# KiCad board poly_kb_molecule_7x5_wave_left.kicad_pcb (continued)
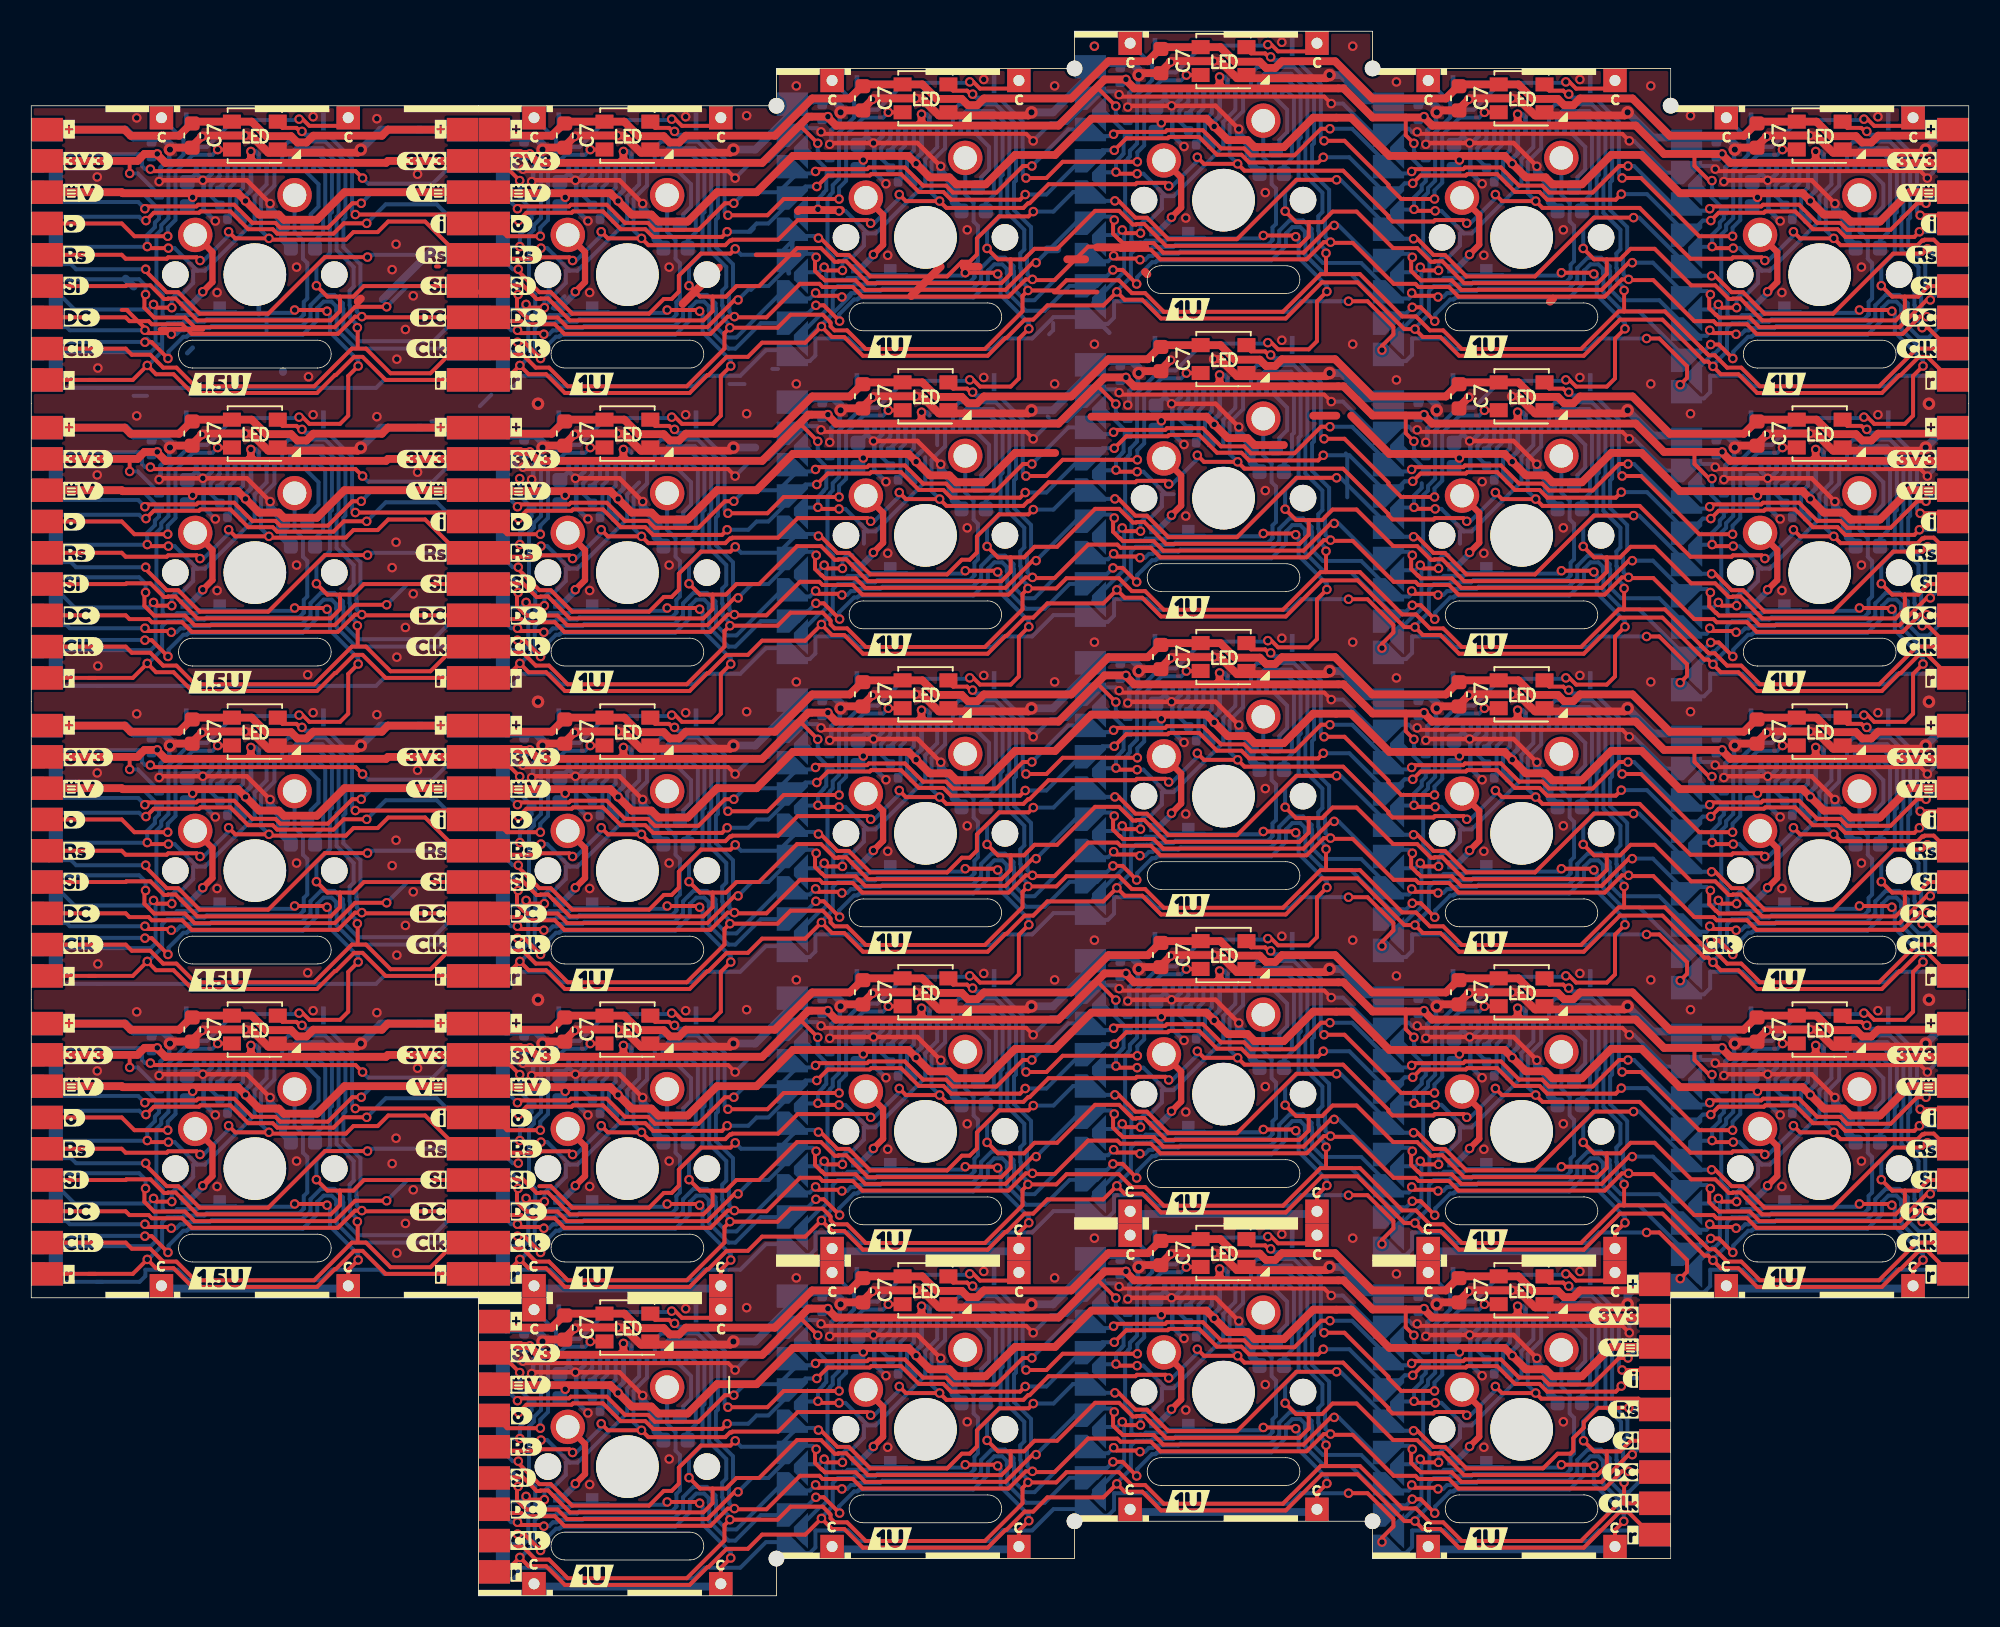
[diagram p0: board, top side]
## Nets (continued)
/Keyboard/sheet605ED2EB/RESET: J1.11 J1#2.11 J1#3.11 J1#4.11 J1#5.11 J1#6.11 J1#7.11 J1#8.11 J1#9.11 J1#10.11 J1#11.11 J1#12.11 J1#13.11 J1#14.11 J1#15.11 J1#16.11 J1#17.11 J1#18.11 J1#19.11 J1#20.11 J1#21.11 J1#22.11 J1#23.11 J1#24.11 J1#25.11 J1#26.11 J1#27.11 J1#28.11 J3.5 J3#2.5 J3#3.5 J3#4.5 J3#5.5 J3#6.5 J3#7.5 J3#8.5 J3#9.5 J4.5 J4#2.5 J4#3.5 J4#4.5 J4#5.5 J4#6.5 J4#7.5 J4#8.5 J4#9.5
/Keyboard/sheet605ED2EB/SCLK: J1.13 J1#2.13 J1#3.13 J1#4.13 J1#5.13 J1#6.13 J1#7.13 J1#8.13 J1#9.13 J1#10.13 J1#11.13 J1#12.13 J1#13.13 J1#14.13 J1#15.13 J1#16.13 J1#17.13 J1#18.13 J1#19.13 J1#20.13 J1#21.13 J1#22.13 J1#23.13 J1#24.13 J1#25.13 J1#26.13 J1#27.13 J1#28.13 J3.8 J3#2.8 J3#3.8 J3#4.8 J3#5.8 J3#6.8 J3#7.8 J3#8.8 J3#9.8 J4.8 J4#2.8 J4#3.8 J4#4.8 J4#5.8 J4#6.8 J4#7.8 J4#8.8 J4#9.8
/Keyboard/sheet605ED2EB/SDIN: J1.14 J1#2.14 J1#3.14 J1#4.14 J1#5.14 J1#6.14 J1#7.14 J1#8.14 J1#9.14 J1#10.14 J1#11.14 J1#12.14 J1#13.14 J1#14.14 J1#15.14 J1#16.14 J1#17.14 J1#18.14 J1#19.14 J1#20.14 J1#21.14 J1#22.14 J1#23.14 J1#24.14 J1#25.14 J1#26.14 J1#27.14 J1#28.14 J3.6 J3#2.6 J3#3.6 J3#4.6 J3#5.6 J3#6.6 J3#7.6 J3#8.6 J3#9.6 J4.6 J4#2.6 J4#3.6 J4#4.6 J4#5.6 J4#6.6 J4#7.6 J4#8.6 J4#9.6
CS1: J5.2 J5#2.2 J5#3.2 J5#4.2 J5#5.2 J5#6.2 J5#7.2 J5#8.2 J5#9.2 J5#10.2 J5#11.2 J5#12.2 J5#13.2 J5#14.2 J5#15.2 J5#16.2 J5#17.2 J5#18.2 J5#19.2 J5#20.2 J5#21.2 J5#22.2 J5#23.2 J5#24.2 J5#25.2 J5#26.2 J5#27.2 J5#28.2 J6.2 J6#2.2 J6#3.2 J6#4.2 J6#5.2 J6#6.2 J6#7.2 J6#8.2 J6#9.2
CS2: J5.3 J5#2.3 J5#3.3 J5#4.3 J5#5.3 J5#6.3 J5#7.3 J5#8.3 J5#9.3 J5#10.3 J5#11.3 J5#12.3 J5#13.3 J5#14.3 J5#15.3 J5#16.3 J5#17.3 J5#18.3 J5#19.3 J5#20.3 J5#21.3 J5#22.3 J5#23.3 J5#24.3 J5#25.3 J5#26.3 J5#27.3 J5#28.3 J6.3 J6#2.3 J6#3.3 J6#4.3 J6#5.3 J6#6.3 J6#7.3 J6#8.3 J6#9.3
CS3: J5.4 J5#2.4 J5#3.4 J5#4.4 J5#5.4 J5#6.4 J5#7.4 J5#8.4 J5#9.4 J5#10.4 J5#11.4 J5#12.4 J5#13.4 J5#14.4 J5#15.4 J5#16.4 J5#17.4 J5#18.4 J5#19.4 J5#20.4 J5#21.4 J5#22.4 J5#23.4 J5#24.4 J5#25.4 J5#26.4 J5#27.4 J5#28.4 J6.4 J6#2.4 J6#3.4 J6#4.4 J6#5.4 J6#6.4 J6#7.4 J6#8.4 J6#9.4
CS4: J5.5 J5#2.5 J5#3.5 J5#4.5 J5#5.5 J5#6.5 J5#7.5 J5#8.5 J5#9.5 J5#10.5 J5#11.5 J5#12.5 J5#13.5 J5#14.5 J5#15.5 J5#16.5 J5#17.5 J5#18.5 J5#19.5 J5#20.5 J5#21.5 J5#22.5 J5#23.5 J5#24.5 J5#25.5 J5#26.5 J5#27.5 J5#28.5 J6.5 J6#2.5 J6#3.5 J6#4.5 J6#5.5 J6#6.5 J6#7.5 J6#8.5 J6#9.5
CS5: J5.6 J5#2.6 J5#3.6 J5#4.6 J5#5.6 J5#6.6 J5#7.6 J5#8.6 J5#9.6 J5#10.6 J5#11.6 J5#12.6 J5#13.6 J5#14.6 J5#15.6 J5#16.6 J5#17.6 J5#18.6 J5#19.6 J5#20.6 J5#21.6 J5#22.6 J5#23.6 J5#24.6 J5#25.6 J5#26.6 J5#27.6 J5#28.6 J6.6 J6#2.6 J6#3.6 J6#4.6 J6#5.6 J6#6.6 J6#7.6 J6#8.6 J6#9.6
CS6: J5.7 J5#2.7 J5#3.7 J5#4.7 J5#5.7 J5#6.7 J5#7.7 J5#8.7 J5#9.7 J5#10.7 J5#11.7 J5#12.7 J5#13.7 J5#14.7 J5#15.7 J5#16.7 J5#17.7 J5#18.7 J5#19.7 J5#20.7 J5#21.7 J5#22.7 J5#23.7 J5#24.7 J5#25.7 J5#26.7 J5#27.7 J5#28.7 J6.7 J6#2.7 J6#3.7 J6#4.7 J6#5.7 J6#6.7 J6#7.7 J6#8.7 J6#9.7
CS7: J5.8 J5#2.8 J5#3.8 J5#4.8 J5#5.8 J5#6.8 J5#7.8 J5#8.8 J5#9.8 J5#10.8 J5#11.8 J5#12.8 J5#13.8 J5#14.8 J5#15.8 J5#16.8 J5#17.8 J5#18.8 J5#19.8 J5#20.8 J5#21.8 J5#22.8 J5#23.8 J5#24.8 J5#25.8 J5#26.8 J5#27.8 J5#28.8 J6.8 J6#2.8 J6#3.8 J6#4.8 J6#5.8 J6#6.8 J6#7.8 J6#8.8 J6#9.8
CS8: J5.9 J5#2.9 J5#3.9 J5#4.9 J5#5.9 J5#6.9 J5#7.9 J5#8.9 J5#9.9 J5#10.9 J5#11.9 J5#12.9 J5#13.9 J5#14.9 J5#15.9 J5#16.9 J5#17.9 J5#18.9 J5#19.9 J5#20.9 J5#21.9 J5#22.9 J5#23.9 J5#24.9 J5#25.9 J5#26.9 J5#27.9 J5#28.9 J6.9 J6#2.9 J6#3.9 J6#4.9 J6#5.9 J6#6.9 J6#7.9 J6#8.9 J6#9.9
Net-(C1-Pad1): C1.1 C1#2.1 C1#3.1 C1#4.1 C1#5.1 C1#6.1 C1#7.1 C1#8.1 C1#9.1 C1#10.1 C1#11.1 C1#12.1 C1#13.1 C1#14.1 C1#15.1 C1#16.1 C1#17.1 C1#18.1 C1#19.1 C1#20.1 C1#21.1 C1#22.1 C1#23.1 C1#24.1 C1#25.1 C1#26.1 C1#27.1 C1#28.1 J1.16 J1#2.16 J1#3.16 J1#4.16 J1#5.16 J1#6.16 J1#7.16 J1#8.16 J1#9.16 J1#10.16 J1#11.16 J1#12.16 J1#13.16 J1#14.16 J1#15.16 J1#16.16 J1#17.16 J1#18.16 J1#19.16 J1#20.16 J1#21.16 J1#22.16 J1#23.16 J1#24.16 J1#25.16 J1#26.16 J1#27.16 J1#28.16
Net-(C4-Pad1): C4.1 C4#2.1 C4#3.1 C4#4.1 C4#5.1 C4#6.1 C4#7.1 C4#8.1 C4#9.1 C4#10.1 C4#11.1 C4#12.1 C4#13.1 C4#14.1 C4#15.1 C4#16.1 C4#17.1 C4#18.1 C4#19.1 C4#20.1 C4#21.1 C4#22.1 C4#23.1 C4#24.1 C4#25.1 C4#26.1 C4#27.1 C4#28.1 J1.15 J1#2.15 J1#3.15 J1#4.15 J1#5.15 J1#6.15 J1#7.15 J1#8.15 J1#9.15 J1#10.15 J1#11.15 J1#12.15 J1#13.15 J1#14.15 J1#15.15 J1#16.15 J1#17.15 J1#18.15 J1#19.15 J1#20.15 J1#21.15 J1#22.15 J1#23.15 J1#24.15 J1#25.15 J1#26.15 J1#27.15 J1#28.15
Net-(C5-Pad1): C5.1 C5#2.1 C5#3.1 C5#4.1 C5#5.1 C5#6.1 C5#7.1 C5#8.1 C5#9.1 C5#10.1 C5#11.1 C5#12.1 C5#13.1 C5#14.1 C5#15.1 C5#16.1 C5#17.1 C5#18.1 C5#19.1 C5#20.1 C5#21.1 C5#22.1 C5#23.1 C5#24.1 C5#25.1 C5#26.1 C5#27.1 C5#28.1 J1.4 J1#2.4 J1#3.4 J1#4.4 J1#5.4 J1#6.4 J1#7.4 J1#8.4 J1#9.4 J1#10.4 J1#11.4 J1#12.4 J1#13.4 J1#14.4 J1#15.4 J1#16.4 J1#17.4 J1#18.4 J1#19.4 J1#20.4 J1#21.4 J1#22.4 J1#23.4 J1#24.4 J1#25.4 J1#26.4 J1#27.4 J1#28.4
Net-(C5-Pad2): C5.2 C5#2.2 C5#3.2 C5#4.2 C5#5.2 C5#6.2 C5#7.2 C5#8.2 C5#9.2 C5#10.2 C5#11.2 C5#12.2 C5#13.2 C5#14.2 C5#15.2 C5#16.2 C5#17.2 C5#18.2 C5#19.2 C5#20.2 C5#21.2 C5#22.2 C5#23.2 C5#24.2 C5#25.2 C5#26.2 C5#27.2 C5#28.2 J1.5 J1#2.5 J1#3.5 J1#4.5 J1#5.5 J1#6.5 J1#7.5 J1#8.5 J1#9.5 J1#10.5 J1#11.5 J1#12.5 J1#13.5 J1#14.5 J1#15.5 J1#16.5 J1#17.5 J1#18.5 J1#19.5 J1#20.5 J1#21.5 J1#22.5 J1#23.5 J1#24.5 J1#25.5 J1#26.5 J1#27.5 J1#28.5
Net-(C6-Pad1): C6.1 C6#2.1 C6#3.1 C6#4.1 C6#5.1 C6#6.1 C6#7.1 C6#8.1 C6#9.1 C6#10.1 C6#11.1 C6#12.1 C6#13.1 C6#14.1 C6#15.1 C6#16.1 C6#17.1 C6#18.1 C6#19.1 C6#20.1 C6#21.1 C6#22.1 C6#23.1 C6#24.1 C6#25.1 C6#26.1 C6#27.1 C6#28.1 J1.6 J1#2.6 J1#3.6 J1#4.6 J1#5.6 J1#6.6 J1#7.6 J1#8.6 J1#9.6 J1#10.6 J1#11.6 J1#12.6 J1#13.6 J1#14.6 J1#15.6 J1#16.6 J1#17.6 J1#18.6 J1#19.6 J1#20.6 J1#21.6 J1#22.6 J1#23.6 J1#24.6 J1#25.6 J1#26.6 J1#27.6 J1#28.6
Net-(C6-Pad2): C6.2 C6#2.2 C6#3.2 C6#4.2 C6#5.2 C6#6.2 C6#7.2 C6#8.2 C6#9.2 C6#10.2 C6#11.2 C6#12.2 C6#13.2 C6#14.2 C6#15.2 C6#16.2 C6#17.2 C6#18.2 C6#19.2 C6#20.2 C6#21.2 C6#22.2 C6#23.2 C6#24.2 C6#25.2 C6#26.2 C6#27.2 C6#28.2 J1.7 J1#2.7 J1#3.7 J1#4.7 J1#5.7 J1#6.7 J1#7.7 J1#8.7 J1#9.7 J1#10.7 J1#11.7 J1#12.7 J1#13.7 J1#14.7 J1#15.7 J1#16.7 J1#17.7 J1#18.7 J1#19.7 J1#20.7 J1#21.7 J1#22.7 J1#23.7 J1#24.7 J1#25.7 J1#26.7 J1#27.7 J1#28.7
Net-(D1-Pad2): D1.2 D1#2.2 D1#3.2 D1#4.2 D1#5.2 D1#6.2 D1#7.2 D1#8.2 D1#9.2 D1#10.2 D1#11.2 D1#12.2 D1#13.2 D1#14.2 D1#15.2 D1#16.2 D1#17.2 D1#18.2 D1#19.2 D1#20.2 D1#21.2 D1#22.2 D1#23.2 D1#24.2 D1#25.2 D1#26.2 D1#27.2 D1#28.2 SW1.2 SW1#2.2 SW1#3.2 SW1#4.2 SW1#5.2 SW1#6.2 SW1#7.2 SW1#8.2 SW1#9.2 SW1#10.2 SW1#11.2 SW1#12.2 SW1#13.2 SW1#14.2 SW1#15.2 SW1#16.2 SW1#17.2 SW1#18.2 SW1#19.2 SW1#20.2 SW1#21.2 SW1#22.2 SW1#23.2 SW1#24.2 SW1#25.2 SW1#26.2 SW1#27.2 SW1#28.2

Pads without a net: J1 0 2; J1#2 0 2; J1#3 0 2; J1#4 0 2; J1#5 0 2; J1#6 0 2; J1#7 0 2; J1#8 0 2; J1#9 0 2; J1#10 0 2; J1#11 0 2; J1#12 0 2; J1#13 0 2; J1#14 0 2; J1#15 0 2; J1#16 0 2; J1#17 0 2; J1#18 0 2; J1#19 0 2; J1#20 0 2; J1#21 0 2; J1#22 0 2; J1#23 0 2; J1#24 0 2; J1#25 0 2; J1#26 0 2; J1#27 0 2; J1#28 0 2

## Via types
v1: diameter 0.61, hole 0.356, Top to Bottom, 1442 vias
v2: diameter 0.8, hole 0.4, Top to Bottom, 62 vias

## Routing (per net, layer and track width the routed paths; a pad name or vN(x,y) marks a point on that pad's centre or on a via; arc(x,y) is an arc through that point)
/Keyboard/sheet605ED2EB/3V3: length 773.5
  Top w0.25: 68.06,20.29 v1(69.32,19.03) ; v1(107.42,33.32) 107.24,33.32 106.3,34.26 106.3,35.08 ; v1(31.22,90.47) 29.96,91.72 J3.2 ; v1(31.22,33.32) 29.96,34.58 J3#2.2 ; v1(107.42,52.37) 107.24,52.37 106.3,53.31 106.3,54.13 ; 68.06,96.49 v1(69.32,95.23) ; 6.29,53.33 v1(6.29,52.83) ; 3.4,53.63 3.76,53.63 ; 106.3,73.18 106.3,72.36 107.24,71.42 v1(107.42,71.42) ; v1(88.37,73.8) 87.84,74.32 87.84,75.45 ; v1(31.22,14.27) 29.96,15.52 J3#6.2 ; v1(107.42,90.47) 107.24,90.47 106.3,91.41 106.3,92.23 ; 49.87,37.4 49.68,37.4 49.28,37 49.28,36.69 v1(50.27,35.7) ; v1(88.37,54.75) 87.84,55.27 87.84,56.4 ; 68.06,39.34 v1(69.32,38.08) ; v1(88.37,92.85) 87.84,93.37 87.84,94.5 ; v1(50.27,54.75) 49.28,55.74 49.28,56.05 49.68,56.45 49.87,56.45 ; 3.4,72.68 3.76,72.68 ; J3#7.2 29.96,53.62 v1(31.22,52.37) ; 87.84,37.35 87.84,36.22 v1(88.37,35.7) ; 6.29,91.43 v1(6.29,90.93) ; 87.84,18.3 87.84,17.17 v1(88.37,16.65) ; v1(50.27,16.65) 49.28,17.64 49.28,17.95 49.68,18.35 49.87,18.35 ; v1(50.27,73.8) 49.28,74.79 49.28,75.1 49.68,75.5 ; 6.29,72.38 v1(6.29,71.88) ; 49.87,94.55 49.68,94.55 49.28,94.15 49.28,93.84 v1(50.27,92.85) ; 5.78,82.2 6.15,82.2 ; 25.87,84.98 26.06,84.98 ; 6.15,82.15 7.4,80.89 ; 68.06,77.44 v1(69.32,76.18) ; 68.06,58.39 v1(69.32,57.13) ; 3.4,34.58 3.76,34.58 ; 6.29,34.28 v1(6.29,33.78) ; 3.4,91.73 3.76,91.73
  Top w0.3: 30.08,35.07 J3#2.2 ; 30.08,16.02 J3#6.2 ; 30.08,73.17 J3#4.2 ; 30.08,92.22 J3.2 ; 30.08,54.12 J3#7.2
  Top w0.5: 75.8,39.29 75.75,39.24 ; 75.8,39.29 75.95,39.43 ; 75.8,39.29 76.09,39.29 75.95,39.43 ; 56.75,17.86 57.04,17.86 56.9,18 ; 56.75,17.86 56.7,17.81 ; 56.75,17.86 56.9,18 ; v1(56.9,94.71) 56.9,94.2 ; 56.9,94.2 57.04,94.06 56.75,94.06 ; 56.9,94.2 56.75,94.06 ; v1(114.05,54.23) 114.05,53.72 ; 114.05,53.72 114.19,53.58 113.9,53.58 ; 114.05,53.72 113.9,53.58 ; v1(95,94.71) 95,94.2 ; 95,94.2 95.14,94.06 94.85,94.06 ; 95,94.2 94.85,94.06 ; 56.9,75.15 56.75,75.01 ; 56.9,75.15 v1(56.9,75.66) ; 56.9,75.15 57.04,75.01 56.75,75.01 ; 56.75,75.01 56.7,74.96 ; 94.85,75.01 95,75.15 v1(95,75.66) ; 94.85,75.01 95.14,75.01 ; 94.85,75.01 94.8,74.96 ; 14.03,72.77 14.18,72.63 13.89,72.63 ; 14.03,72.77 13.89,72.63 ; 14.03,72.77 v1(14.03,73.28) ; J4#8.2 22.8,34.58 22.67,34.45 8.58,34.45 8.05,34.98 v1(8.05,35.02) 7.24,35.02 6.79,34.58 J3#3.2 ; v1(14.03,92.33) 14.03,91.82 ; 14.03,91.82 13.89,91.68 ; 14.03,91.82 14.18,91.68 13.89,91.68 ; J4#2.2 122.69,53.5 108.59,53.5 108.06,54.03 v1(108.06,54.07) ; v1(108.06,35.02) 104.35,35.02 102.54,36.83 89.54,36.83 89.01,37.36 v1(89.01,37.4) 88.96,37.35 85.73,37.35 83.87,39.21 70.49,39.21 69.96,39.74 v1(69.96,39.79) 68.6,39.79 65.65,36.83 51.44,36.83 50.91,37.36 v1(50.91,37.4) 49.67,37.4 46.71,34.45 32.39,34.45 31.86,34.98 v1(31.86,35.02) 31.3,35.02 31.24,35.08 30.1,35.08 J3#2.2 ; v1(108.06,35.02) 107.5,35.02 ; v1(108.06,35.02) 108.06,34.98 108.59,34.45 122.69,34.45 J4.2 ; 75.8,96.44 75.75,96.39 ; 75.8,96.44 75.95,96.58 ; 75.8,96.44 76.09,96.44 75.95,96.58 ; v1(37.85,92.33) 37.85,91.82 ; 37.85,91.82 37.7,91.68 ; 37.85,91.82 37.99,91.68 37.7,91.68 ; 56.75,94.06 56.7,94.01 ; v1(114.05,73.28) 114.05,72.77 ; 114.05,72.77 114.19,72.63 113.9,72.63 ; 114.05,72.77 113.9,72.63 ; v1(114.05,35.18) 114.05,34.67 ; 114.05,34.67 114.19,34.53 113.9,34.53 ; 114.05,34.67 113.9,34.53 ; 37.7,15.48 37.65,15.43 ; 37.7,15.48 37.85,15.62 ; 37.7,15.48 37.99,15.48 37.85,15.62 ; 13.89,34.53 13.84,34.48 ; 13.89,34.53 14.03,34.67 ; 13.89,34.53 14.18,34.53 14.03,34.67 ; v1(75.95,39.94) 75.95,39.43 ; 113.9,34.53 113.85,34.48 ; 37.85,34.67 37.99,34.53 37.7,34.53 ; 37.85,34.67 37.7,34.53 ; 37.85,34.67 v1(37.85,35.18) ; 75.95,96.58 v1(75.95,97.09) ; 37.7,72.63 37.99,72.63 37.85,72.77 ; 37.7,72.63 37.65,72.58 ; 37.7,72.63 37.85,72.77 ; v1(56.9,56.61) 56.9,56.1 ; 56.9,56.1 56.75,55.96 ; 56.9,56.1 57.04,55.96 56.75,55.96 ; 107.5,73.12 v1(108.06,73.12) ; v1(108.06,73.12) 104.35,73.12 102.54,74.93 89.54,74.93 89.01,75.46 v1(89.01,75.5) 88.96,75.45 85.73,75.45 83.87,77.31 70.49,77.31 69.96,77.84 v1(69.96,77.89) 68.6,77.89 65.65,74.93 51.44,74.93 50.91,75.46 v1(50.91,75.5) 49.67,75.5 46.71,72.55 32.39,72.55 31.86,73.08 v1(31.86,73.12) 31.3,73.12 31.24,73.18 30.1,73.18 J3#4.2 ; v1(108.06,73.12) 108.06,73.08 108.59,72.55 122.69,72.55 J4#3.2 ; v1(56.9,37.56) 56.9,37.05 ; 56.9,37.05 56.75,36.91 ; 56.9,37.05 57.04,36.91 56.75,36.91 ; v1(37.85,73.28) 37.85,72.77 ; 37.7,53.58 37.65,53.53 ; 37.7,53.58 37.85,53.72 ; 37.7,53.58 37.99,53.58 37.85,53.72 ; 94.85,55.96 95.14,55.96 95,56.1 ; 94.85,55.96 94.8,55.91 ; 94.85,55.96 95,56.1 ; 37.7,91.68 37.65,91.63 ; 94.85,36.91 94.8,36.86 ; 94.85,36.91 95,37.05 ; 94.85,36.91 95.14,36.91 95,37.05 ; 37.7,34.53 37.65,34.48 ; 113.9,72.63 113.85,72.58 ; 107.5,54.07 v1(108.06,54.07) ; v1(108.06,54.07) 104.35,54.07 102.54,55.88 89.54,55.88 89.01,56.41 v1(89.01,56.45) 88.96,56.4 85.73,56.4 83.87,58.26 70.49,58.26 69.96,58.79 v1(69.96,58.84) 68.6,58.84 65.65,55.88 51.44,55.88 50.91,56.41 v1(50.91,56.45) 49.67,56.45 46.71,53.5 32.39,53.5 31.86,54.03 v1(31.86,54.07) 31.3,54.07 31.24,54.13 30.1,54.13 J3#7.2 ; 29.84,34.58 30.04,34.77 ; v1(95,56.61) 95,56.1 ; J4#5.2 103.64,17.78 89.54,17.78 89.01,18.31 v1(89.01,18.35) 88.96,18.3 85.73,18.3 83.87,20.16 70.49,20.16 69.96,20.69 v1(69.96,20.74) 68.6,20.74 65.65,17.78 51.44,17.78 50.91,18.31 v1(50.91,18.35) 49.67,18.35 46.71,15.4 32.39,15.4 31.86,15.93 v1(31.86,15.97) 31.3,15.97 31.24,16.03 30.1,16.03 J3#6.2 ; 75.8,58.34 75.75,58.29 ; 75.8,58.34 75.95,58.48 ; 75.8,58.34 76.09,58.34 75.95,58.48 ; 56.75,36.91 56.7,36.86 ; 95,18 95.14,17.86 94.85,17.86 ; 95,18 94.85,17.86 ; 95,18 v1(95,18.51) ; 13.89,91.68 13.84,91.63 ; 114.05,91.82 114.19,91.68 113.9,91.68 ; 114.05,91.82 v1(114.05,92.33) ; 114.05,91.82 113.9,91.68 ; v1(37.85,16.13) 37.85,15.62 ; J3#9.2 6.79,72.68 7.24,73.12 v1(8.05,73.12) 8.05,73.08 8.58,72.55 22.67,72.55 22.8,72.68 J4#4.2 ; v1(95,37.56) 95,37.05 ; 13.89,53.58 13.84,53.53 ; 13.89,53.58 14.18,53.58 14.03,53.72 ; 13.89,53.58 14.03,53.72 ; 75.95,77.53 75.8,77.39 ; 75.95,77.53 76.09,77.39 75.8,77.39 ; 75.95,77.53 v1(75.95,78.04) ; 75.8,77.39 75.75,77.34 ; 94.85,94.06 94.8,94.01 ; 113.9,91.68 113.85,91.63 ; J4#7.2 22.8,53.63 22.67,53.5 8.58,53.5 8.05,54.03 v1(8.05,54.07) 7.24,54.07 6.79,53.63 J3#8.2 ; J4#9.2 22.8,91.73 22.67,91.6 8.58,91.6 8.05,92.13 v1(8.05,92.17) 7.24,92.17 6.79,91.73 J3#5.2 ; 13.89,72.63 13.84,72.58 ; 56.75,55.96 56.7,55.91 ; 71.18,84.63 71.33,84.48 ; 37.85,53.72 v1(37.85,54.23) ; 14.03,34.67 v1(14.03,35.18) ; 75.95,20.38 76.09,20.24 75.8,20.24 ; 75.95,20.38 75.8,20.24 ; 75.95,20.38 v1(75.95,20.89) ; J3.2 30.1,92.23 31.24,92.23 31.3,92.17 v1(31.86,92.17) 31.86,92.13 32.39,91.6 46.71,91.6 49.67,94.55 v1(50.91,94.55) 50.91,94.51 51.44,93.98 65.65,93.98 68.6,96.94 v1(69.96,96.94) 69.96,96.89 70.49,96.36 83.87,96.36 85.73,94.5 88.96,94.5 v1(89.01,94.55) 89.01,94.51 89.54,93.98 102.54,93.98 104.35,92.17 v1(108.06,92.17) ; 56.9,18 v1(56.9,18.51) ; 113.9,53.58 113.85,53.53 ; 29.84,91.72 30.04,91.92 ; 14.03,53.72 v1(14.03,54.23) ; 75.95,58.48 v1(75.95,58.99) ; 75.8,20.24 75.75,20.19 ; 94.85,17.86 94.8,17.81 ; v1(108.06,92.17) 108.06,92.13 108.59,91.6 122.69,91.6 J4#6.2 ; v1(108.06,92.17) 107.5,92.17 ; 29.84,15.52 30.04,15.72 ; 29.84,72.67 30.04,72.87 ; 29.84,53.62 30.04,53.82
  Bottom w0.25: v1(50.27,16.65) 50.27,16.13 50.69,15.7 51.07,15.7 ; 51.07,53.8 50.69,53.8 50.27,54.23 v1(50.27,54.75) ; 89.17,72.85 88.79,72.85 88.37,73.28 v1(88.37,73.8) ; 8.2,32.37 6.8,33.78 v1(6.29,33.78) ; 108.22,89.52 107.84,89.52 107.42,89.95 v1(107.42,90.47) ; v1(88.37,54.75) 88.37,54.23 88.79,53.8 89.17,53.8 ; 108.22,51.42 107.84,51.42 107.42,51.85 v1(107.42,52.37) ; v1(31.22,90.47) 31.22,89.95 31.64,89.52 32.02,89.52 ; 70.12,18.08 69.74,18.08 69.32,18.51 v1(69.32,19.03) ; v1(50.27,73.8) 50.27,73.28 50.69,72.85 51.07,72.85 ; v1(6.29,52.83) 6.8,52.83 8.2,51.42 ; v1(31.22,14.27) 31.22,13.75 31.64,13.32 32.02,13.32 ; 108.22,70.47 107.84,70.47 107.42,70.9 v1(107.42,71.42) ; 51.07,91.9 50.69,91.9 50.27,92.33 v1(50.27,92.85) ; 8.2,89.52 6.8,90.93 v1(6.29,90.93) ; 31.22,70.9 v1(31.22,71.42) ; 108.22,32.37 107.84,32.37 107.42,32.8 v1(107.42,33.32) ; 51.07,34.75 50.69,34.75 50.27,35.18 v1(50.27,35.7) ; v1(31.22,52.37) 31.22,51.85 31.64,51.42 32.02,51.42 ; 8.2,80 7.83,80 ; 70.12,37.13 69.74,37.13 69.32,37.56 v1(69.32,38.08) ; v1(69.32,95.23) 69.32,94.71 69.74,94.28 70.12,94.28 ; 89.17,34.75 88.79,34.75 88.37,35.18 v1(88.37,35.7) ; 89.17,15.7 88.79,15.7 88.37,16.13 v1(88.37,16.65) ; v1(6.29,71.88) 6.8,71.88 8.2,70.47 ; v1(69.32,57.13) 69.32,56.61 69.74,56.18 70.12,56.18 ; 89.17,91.9 88.79,91.9 88.37,92.33 v1(88.37,92.85) ; 70.12,75.23 69.74,75.23 69.32,75.66 v1(69.32,76.18) ; v1(31.22,33.32) 31.22,32.8 31.64,32.37 32.02,32.37 ; 7.83,79.95 7.4,80.37
  Bottom w0.3: v1(75.95,39.94) 76.25,39.94 76.45,39.74 J1#21.9 ; C3#27.1 88.82,56.26 v1(89.01,56.45) ; J1#9.9 95.5,56.41 95.3,56.61 v1(95,56.61) ; v1(114.05,73.28) 114.35,73.28 114.55,73.07 J1#23.9 ; v1(75.95,97.09) 76.25,97.09 76.45,96.89 J1#5.9 ; 33.59,84.3 33.59,84.98 ; v1(89.01,75.5) 88.82,75.31 C3#7.1 ; C3.1 31.67,91.98 v1(31.86,92.17) ; v1(89.01,18.35) 88.82,18.16 C3#26.1 ; v1(50.91,37.4) 50.72,37.21 C3#22.1 ; v1(56.9,18.51) 57.2,18.51 57.4,18.31 J1#12.9 ; C3#14.1 107.87,91.98 v1(108.06,92.17) ; J1#7.9 114.55,92.12 114.35,92.33 v1(114.05,92.33) ; C3#3.1 50.72,75.31 v1(50.91,75.5) ; v1(50.91,94.55) 50.72,94.36 C3#2.1 ; C3#13.1 7.85,72.93 v1(8.05,73.12) ; J1#11.9 38.35,15.92 38.15,16.13 v1(37.85,16.13) ; v1(8.05,54.07) 7.85,53.88 C3#17.1 ; v1(69.96,20.74) 69.77,20.54 C3#5.1 ; v1(14.03,92.33) 14.33,92.33 14.54,92.13 J1#28.9 ; v1(37.85,73.28) 38.15,73.28 38.35,73.07 ; J1#20.9 38.35,34.97 38.15,35.18 v1(37.85,35.18) ; C3#24.1 7.85,91.98 v1(8.05,92.17) ; C3#19.1 7.85,34.83 v1(8.05,35.02) ; v1(95,94.71) 95.3,94.71 95.5,94.51 J1#22.9 ; v1(50.91,56.45) 50.72,56.26 C3#9.1 ; C3#6.1 69.77,39.59 v1(69.96,39.79) ; v1(50.91,18.35) 50.72,18.16 C3#12.1 ; C3#8.1 31.67,15.78 v1(31.86,15.97) ; v1(95,18.51) 95.3,18.51 95.5,18.31 J1#2.9 ; v1(108.06,54.07) 107.87,53.88 C3#16.1 ; J1#15.9 14.54,54.03 14.33,54.23 v1(14.03,54.23) ; v1(31.86,73.12) 31.67,72.93 C3#28.1 ; C3#21.1 69.77,58.64 v1(69.96,58.84) ; J1#24.9 14.54,73.08 14.33,73.28 v1(14.03,73.28) ; J1.9 38.35,92.12 38.15,92.33 v1(37.85,92.33) ; v1(31.86,54.07) 31.67,53.88 C3#15.1 ; v1(75.95,78.04) 76.25,78.04 76.45,77.84 J1#4.9 ; v1(114.05,35.18) 114.35,35.18 114.55,34.97 J1#26.9 ; v1(95,75.66) 95.3,75.66 95.5,75.46 J1#3.9 ; v1(95,37.56) 95.3,37.56 95.5,37.36 J1#18.9 ; 57.4,75.46 57.2,75.66 v1(56.9,75.66) ; v1(56.9,94.71) 57.2,94.71 57.4,94.51 J1#17.9 ; J1#14.9 38.35,54.02 38.15,54.23 v1(37.85,54.23) ; C3#20.1 88.82,37.21 v1(89.01,37.4) ; J1#25.9 76.45,20.69 76.25,20.89 v1(75.95,20.89) ; C3#10.1 88.82,94.36 v1(89.01,94.55) ; v1(75.95,58.99) 76.25,58.99 76.45,58.79 J1#10.9 ; 45.95,87.21 46.15,87.41 ; v1(56.9,56.61) 57.2,56.61 57.4,56.41 J1#6.9 ; 14.54,81.92 14.54,82.6 ; J1#19.9 114.55,54.02 114.35,54.23 v1(114.05,54.23) ; J1#16.9 14.54,34.98 14.33,35.18 v1(14.03,35.18) ; J1#13.9 57.4,37.36 57.2,37.56 v1(56.9,37.56) ; C3#25.1 107.87,34.83 v1(108.06,35.02) ; C3#4.1 69.77,96.74 v1(69.96,96.94) ; C3#11.1 69.77,77.69 ; v1(31.86,35.02) 31.67,34.83 C3#23.1 ; C3#18.1 107.87,72.93 v1(108.06,73.12)
/Keyboard/sheet605ED2EB/4V2: length 698.4
  Top w0.5: J3#3.3 5.78,32.58 5.84,32.51 13.19,32.51 v1(13.69,32.02) 14.56,31.14 15.82,31.14 16.15,30.81 18.26,30.81 20.02,32.58 J4#8.3 ; 72.22,18.16 v1(72.22,17.96) ; 83.41,75.44 81.93,75.44 ; 10.31,51.5 v1(10.31,51.3) ; 110.33,51.5 v1(110.33,51.3) ; 72.22,94.36 v1(72.22,94.16) ; 91.28,34.83 v1(91.28,34.63) ; J3#5.3 5.78,89.73 5.84,89.66 13.19,89.66 v1(13.69,89.17) 14.56,88.29 15.82,88.29 16.15,87.96 18.26,87.96 20.02,89.73 J4#9.3 ; 80.05,73.56 78.17,73.56 77.73,74.01 76.48,74.01 v1(75.6,74.88) 75.11,75.37 67.75,75.37 ; 34.12,51.5 v1(34.12,51.3) ; 48.98,53.94 56.06,53.94 v1(56.55,53.45) 57.43,52.57 58.68,52.57 59.12,52.13 61,52.13 62.88,54.01 65.44,54.01 67.75,56.32 75.11,56.32 v1(75.6,55.83) 76.48,54.96 77.73,54.96 78.17,54.51 80.05,54.51 81.93,56.39 84.36,56.39 86.8,53.94 94.16,53.94 v1(94.65,53.45) 95.53,52.57 96.78,52.57 97.22,52.13 99.1,52.13 100.98,54.01 102.92,54.01 105.36,51.56 113.21,51.56 v1(113.7,51.07) 114.58,50.19 115.83,50.19 116.27,49.75 118.15,49.75 120.03,51.62 122.55,51.62 ; 48.98,53.94 48.67,53.94 46.36,51.62 43.83,51.62 41.95,49.75 40.08,49.75 39.63,50.19 38.38,50.19 v1(37.5,51.07) 37.01,51.56 29.65,51.56 J3#7.3 ; 48.98,53.94 48.7,53.94 ; 91.28,91.98 v1(91.28,91.78) ; 10.31,70.55 v1(10.31,70.35) ; 34.12,89.6 v1(34.12,89.4) ; 34.12,13.4 v1(34.12,13.2) ; 48.98,92.04 56.06,92.04 v1(56.55,91.55) 57.43,90.67 58.68,90.67 59.12,90.23 61,90.23 62.88,92.11 65.44,92.11 67.75,94.42 75.11,94.42 v1(75.6,93.93) 76.48,93.06 77.73,93.06 78.17,92.61 80.05,92.61 81.93,94.49 84.36,94.49 86.8,92.04 94.16,92.04 v1(94.65,91.55) 95.53,90.67 96.78,90.67 97.22,90.23 99.1,90.23 100.98,92.11 102.92,92.11 105.36,89.66 113.21,89.66 v1(113.7,89.17) 114.58,88.29 115.83,88.29 116.27,87.85 118.15,87.85 120.03,89.72 122.55,89.72 ; 48.98,92.04 48.67,92.04 46.36,89.72 43.83,89.72 41.95,87.85 40.08,87.85 39.63,88.29 38.38,88.29 v1(37.5,89.17) 37.01,89.66 29.65,89.66 J3.3 ; 48.98,92.04 48.7,92.04 ; 72.22,56.26 v1(72.22,56.06) ; 122.55,70.67 120.03,70.67 118.15,68.8 116.27,68.8 115.83,69.24 114.58,69.24 v1(113.7,70.12) 113.21,70.61 105.36,70.61 102.92,73.06 100.98,73.06 99.1,71.18 97.22,71.18 96.78,71.62 95.53,71.62 v1(94.65,72.5) 94.16,72.99 86.8,72.99 84.36,75.44 ; J3#8.3 5.78,51.63 5.84,51.56 13.19,51.56 v1(13.69,51.07) 14.56,50.19 15.82,50.19 16.15,49.86 18.26,49.86 20.02,51.63 J4#7.3 ; J3#2.3 29.65,32.51 37.01,32.51 v1(37.5,32.02) 38.38,31.14 39.63,31.14 40.08,30.7 41.95,30.7 43.83,32.58 46.36,32.58 48.67,34.89 48.98,34.89 ; 48.7,15.84 48.98,15.84 ; 48.98,15.84 48.67,15.84 46.36,13.52 43.83,13.52 41.95,11.65 40.08,11.65 39.63,12.09 38.38,12.09 v1(37.5,12.97) 37.01,13.46 29.65,13.46 J3#6.3 ; 48.98,15.84 56.06,15.84 v1(56.55,15.35) 57.43,14.47 58.68,14.47 59.12,14.03 61,14.03 62.88,15.91 65.44,15.91 67.75,18.22 75.11,18.22 v1(75.6,17.73) 76.48,16.86 77.73,16.86 78.17,16.41 80.05,16.41 81.93,18.29 84.36,18.29 86.8,15.84 94.16,15.84 v1(94.65,15.35) 95.53,14.47 96.78,14.47 97.22,14.03 99.1,14.03 100.98,15.91 102.92,15.91 ; 48.7,34.89 48.98,34.89 ; 48.98,34.89 56.06,34.89 v1(56.55,34.4) 57.43,33.52 58.68,33.52 59.12,33.08 61,33.08 62.88,34.96 65.44,34.96 67.75,37.27 75.11,37.27 v1(75.6,36.78) 76.48,35.91 77.73,35.91 78.17,35.46 80.05,35.46 81.93,37.34 84.36,37.34 86.8,34.89 94.16,34.89 v1(94.65,34.4) 95.53,33.52 96.78,33.52 97.22,33.08 99.1,33.08 100.98,34.96 102.92,34.96 105.36,32.51 113.21,32.51 v1(113.7,32.02) 114.58,31.14 115.83,31.14 116.27,30.7 118.15,30.7 120.03,32.58 122.55,32.58 ; 58.12,84.96 56.24,83.09 ; 110.33,32.45 v1(110.33,32.25) ; 72.22,37.21 v1(72.22,37.01) ; J3#4.3 29.65,70.61 37.01,70.61 v1(37.5,70.12) 38.38,69.24 39.63,69.24 40.08,68.8 41.95,68.8 43.83,70.67 46.36,70.67 48.67,72.99 48.98,72.99 ; 65.44,73.06 62.88,73.06 61,71.18 59.12,71.18 58.68,71.62 57.43,71.62 v1(56.55,72.5) 56.06,72.99 48.98,72.99 ; 53.17,72.93 v1(53.17,72.73) ; 91.28,15.78 v1(91.28,15.58) ; 34.12,70.55 v1(34.12,70.35) ; 10.31,32.45 v1(10.31,32.25) ; 53.17,53.88 v1(53.17,53.68) ; J4#4.3 20.02,70.68 18.26,68.91 16.15,68.91 15.82,69.24 14.56,69.24 v1(13.69,70.12) 13.19,70.61 5.84,70.61 5.78,70.68 J3#9.3 ; 48.98,72.99 48.7,72.99 ; 110.33,70.55 v1(110.33,70.35) ; 53.17,34.83 v1(53.17,34.63) ; 91.28,72.93 v1(91.28,72.73) ; 91.28,53.88 v1(91.28,53.68) ; 53.17,15.78 v1(53.17,15.58) ; 53.17,91.98 v1(53.17,91.78) ; 110.33,89.6 v1(110.33,89.4) ; 72.22,75.31 v1(72.22,75.11) ; 34.12,32.45 v1(34.12,32.25) ; 59.59,84.96 60.55,84.96 ; 10.31,89.6 v1(10.31,89.4)
  Bottom w0.3: J1#14.8 37.85,51.73 37.5,51.38 v1(37.5,51.07) ; 71.88,55.68 72.22,56.02 v1(72.22,56.06) ; v1(75.6,93.93) 75.6,94.25 75.95,94.59 J1#5.8 ; 52.83,72.35 53.17,72.69 v1(53.17,72.73) ; J1#25.8 75.95,18.39 75.6,18.05 v1(75.6,17.73) ; 52.83,15.2 53.17,15.54 v1(53.17,15.58) ; J1.8 37.85,89.83 37.5,89.48 v1(37.5,89.17) ; v1(10.31,32.25) 10.31,32.21 9.97,31.86 ; 90.93,91.4 91.28,91.74 v1(91.28,91.78) ; 52.83,53.3 53.17,53.64 v1(53.17,53.68) ; 9.97,50.91 10.31,51.26 v1(10.31,51.3) ; v1(110.33,32.25) 110.33,32.21 109.98,31.86 ; v1(94.65,15.35) 94.65,15.66 95,16.01 J1#2.8 ; v1(72.22,17.96) 72.22,17.92 71.88,17.58 ; 71.88,74.73 72.22,75.07 ; v1(113.7,32.02) 113.7,32.33 114.05,32.68 J1#26.8 ; v1(75.6,55.83) 75.6,56.15 75.95,56.49 J1#10.8 ; 9.97,79.44 10.31,79.78 ; 52.83,91.4 53.17,91.74 v1(53.17,91.78) ; v1(37.5,32.02) 37.5,32.33 37.85,32.68 J1#20.8 ; 109.98,69.96 110.33,70.31 v1(110.33,70.35) ; J1#22.8 95,92.21 94.65,91.86 v1(94.65,91.55) ; v1(13.69,70.12) 13.69,70.43 14.04,70.78 J1#24.8 ; v1(34.12,32.25) 34.12,32.21 33.78,31.86 ; J1#4.8 75.95,75.54 75.6,75.2 v1(75.6,74.88) ; J1#17.8 56.9,92.21 56.55,91.86 v1(56.55,91.55) ; v1(56.55,15.35) 56.55,15.66 56.9,16.01 J1#12.8 ; v1(94.65,53.45) 94.65,53.76 95,54.11 J1#9.8 ; 109.98,50.91 110.33,51.26 v1(110.33,51.3) ; J1#13.8 56.9,35.06 56.55,34.71 v1(56.55,34.4) ; v1(113.7,70.12) 113.7,70.43 114.05,70.78 J1#23.8 ; 90.93,53.3 91.28,53.64 v1(91.28,53.68) ; v1(53.17,34.63) 53.17,34.59 52.83,34.25 ; J1#18.8 95,35.06 94.65,34.71 v1(94.65,34.4) ; 56.9,73.16 56.55,72.81 v1(56.55,72.5) ; v1(37.5,70.12) 37.5,70.43 37.85,70.78 J1#8.8 ; 33.09,84.3 33.09,82.69 ; J1#15.8 14.04,51.73 13.69,51.38 v1(13.69,51.07) ; v1(10.31,70.35) 10.31,70.31 9.97,69.96 ; v1(13.69,32.02) 13.69,32.33 14.04,32.68 J1#16.8 ; v1(113.7,51.07) 113.7,51.38 114.05,51.73 J1#19.8 ; J1#11.8 37.85,13.63 37.5,13.28 v1(37.5,12.97) ; v1(13.69,89.17) 13.69,89.48 14.04,89.83 J1#28.8 ; 109.98,89.01 110.33,89.36 v1(110.33,89.4) ; 90.93,15.2 91.28,15.54 v1(91.28,15.58) ; v1(72.22,37.01) 72.22,36.97 71.88,36.63 ; v1(72.22,94.16) 72.22,94.12 71.88,93.78 ; v1(34.12,51.3) 34.12,51.26 33.78,50.91 ; v1(10.31,89.4) 10.31,89.36 9.97,89.01 ; 33.78,89.01 34.12,89.36 v1(34.12,89.4) ; J1#6.8 56.9,54.11 56.55,53.76 v1(56.55,53.45) ; J1#7.8 114.05,89.83 113.7,89.48 v1(113.7,89.17) ; v1(91.28,34.63) 91.28,34.59 90.93,34.25 ; J1#3.8 95,73.16 94.65,72.81 v1(94.65,72.5) ; 33.78,12.81 34.12,13.16 v1(34.12,13.2) ; 34.12,70.31 v1(34.12,70.35) ; 91.28,72.69 v1(91.28,72.73) ; v1(75.6,36.78) 75.6,37.1 75.95,37.44 J1#21.8 ; 48.41,84.54 48.41,84.59
/Keyboard/sheet605ED2EB/5V: length 610.4
  Top w0.5: J4#9.1 22.8,93.73 22.41,93.34 18.02,93.34 17.59,92.91 17.01,92.91 16.61,93.31 15.01,93.31 14.08,94.24 10.35,94.24 9.45,93.34 6.35,93.34 5.96,93.73 J3#5.1 ; 122.17,55.24 122.55,55.62 ; J4#4.1 22.8,74.68 22.41,74.29 18.02,74.29 17.59,73.86 17.01,73.86 16.61,74.26 15.01,74.26 14.08,75.19 10.35,75.19 9.45,74.29 6.35,74.29 5.96,74.68 J3#9.1 ; 122.17,74.29 122.55,74.67 ; J3#2.1 29.98,36.19 33.26,36.19 34.16,37.08 37.9,37.08 38.82,36.16 40.42,36.16 40.82,35.76 41.4,35.76 41.83,36.19 47.53,36.19 49.91,38.57 52.31,38.57 53.21,39.47 56.95,39.47 57.87,38.54 59.47,38.54 59.87,38.14 60.45,38.14 60.88,38.57 66.46,38.57 68.84,40.95 71.36,40.95 72.26,41.85 76,41.85 76.92,40.92 78.52,40.92 78.92,40.52 79.5,40.52 79.93,40.95 83.33,40.95 85.71,38.57 90.41,38.57 91.31,39.47 95.05,39.47 95.97,38.54 97.57,38.54 97.97,38.14 98.55,38.14 98.98,38.57 102.34,38.57 104.72,36.19 109.46,36.19 110.36,37.08 114.1,37.08 115.02,36.16 116.62,36.16 117.02,35.76 117.6,35.76 118.03,36.19 122.42,36.19 J4.1 ; J4#8.1 22.8,36.58 22.41,36.19 18.02,36.19 17.59,35.76 17.01,35.76 16.61,36.16 15.01,36.16 14.08,37.09 10.35,37.09 9.45,36.19 6.35,36.19 5.96,36.58 J3#3.1 ; J4#3.1 122.42,74.29 118.03,74.29 117.6,73.86 117.02,73.86 116.62,74.26 115.02,74.26 114.1,75.19 110.36,75.19 109.46,74.29 104.72,74.29 102.34,76.67 98.98,76.67 98.55,76.24 97.97,76.24 97.57,76.64 95.97,76.64 95.05,77.57 91.31,77.57 90.41,76.67 85.71,76.67 83.33,79.05 79.93,79.05 79.5,78.62 78.92,78.62 78.52,79.02 76.92,79.02 76,79.95 72.26,79.95 71.36,79.05 68.84,79.05 66.46,76.67 60.88,76.67 60.45,76.24 59.87,76.24 59.47,76.64 57.87,76.64 56.95,77.57 53.21,77.57 52.31,76.67 49.91,76.67 47.53,74.29 41.83,74.29 41.4,73.86 40.82,73.86 40.42,74.26 38.82,74.26 37.9,75.19 34.16,75.19 33.26,74.29 29.98,74.29 J3#4.1 ; J3#7.1 29.98,55.24 33.26,55.24 34.16,56.13 37.9,56.13 38.82,55.21 40.42,55.21 40.82,54.81 41.4,54.81 41.83,55.24 47.53,55.24 49.91,57.62 52.31,57.62 53.21,58.52 56.95,58.52 57.87,57.59 59.47,57.59 59.87,57.19 60.45,57.19 60.88,57.62 66.46,57.62 68.84,60 71.36,60 72.26,60.9 76,60.9 76.92,59.97 78.52,59.97 78.92,59.57 79.5,59.57 79.93,60 83.33,60 85.71,57.62 90.41,57.62 91.31,58.52 95.05,58.52 95.97,57.59 97.57,57.59 97.97,57.19 98.55,57.19 98.98,57.62 102.34,57.62 104.72,55.24 109.46,55.24 110.36,56.13 114.1,56.13 115.02,55.21 116.62,55.21 117.02,54.81 117.6,54.81 118.03,55.24 122.42,55.24 J4#2.1 ; J4#6.1 122.42,93.34 118.03,93.34 117.6,92.91 117.02,92.91 116.62,93.31 115.02,93.31 114.1,94.23 110.36,94.23 109.46,93.34 104.72,93.34 102.34,95.72 98.98,95.72 98.55,95.29 97.97,95.29 97.57,95.69 95.97,95.69 95.05,96.62 91.31,96.62 90.41,95.72 85.71,95.72 83.33,98.1 79.93,98.1 79.5,97.67 78.92,97.67 78.52,98.07 76.92,98.07 76,99 72.26,99 71.36,98.1 68.84,98.1 66.46,95.72 60.88,95.72 60.45,95.29 59.87,95.29 59.47,95.69 57.87,95.69 56.95,96.62 53.21,96.62 52.31,95.72 49.91,95.72 47.53,93.34 41.83,93.34 41.4,92.91 40.82,92.91 40.42,93.31 38.82,93.31 37.9,94.23 34.16,94.23 33.26,93.34 29.98,93.34 J3.1 ; J3#8.1 5.96,55.63 6.35,55.24 9.45,55.24 10.35,56.14 14.08,56.14 15.01,55.21 16.61,55.21 17.01,54.81 17.59,54.81 18.02,55.24 22.41,55.24 22.8,55.63 J4#7.1 ; 122.17,36.19 122.55,36.58 ; J4#5.1 103.37,19.52 98.98,19.52 98.55,19.09 97.97,19.09 97.57,19.49 95.97,19.49 95.05,20.42 91.31,20.42 90.41,19.52 85.71,19.52 83.33,21.9 79.93,21.9 79.5,21.47 78.92,21.47 78.52,21.87 76.92,21.87 76,22.8 72.26,22.8 71.36,21.9 68.84,21.9 66.46,19.52 60.88,19.52 60.45,19.09 59.87,19.09 59.47,19.49 57.87,19.49 56.95,20.42 53.21,20.42 52.31,19.52 49.91,19.52 47.53,17.14 41.83,17.14 41.4,16.71 40.82,16.71 40.42,17.11 38.82,17.11 37.9,18.03 34.16,18.03 33.26,17.14 29.98,17.14 J3#6.1 ; 29.84,17.52 30.21,17.16 ; 29.84,55.62 30.21,55.26 ; 122.17,93.34 122.55,93.72 ; 29.84,93.72 30.21,93.36 ; 29.84,74.67 30.21,74.31 ; 29.84,36.58 30.21,36.21